# Altium PCB RX.PcbDoc (part 2 of 2)
Units mm, origin at the board's own origin, x right, y up, seen from the top; angles counter-clockwise.
Board outline 78 x 44 mm, 4 copper layers (Top Layer, Top Inner Layer, Bottom Inner Layer, Bottom Layer), stack 1.569 mm thick; 93 components, 82 nets, 366 pads, 183 vias.
Unrouted connection lines stored in the file: 59.
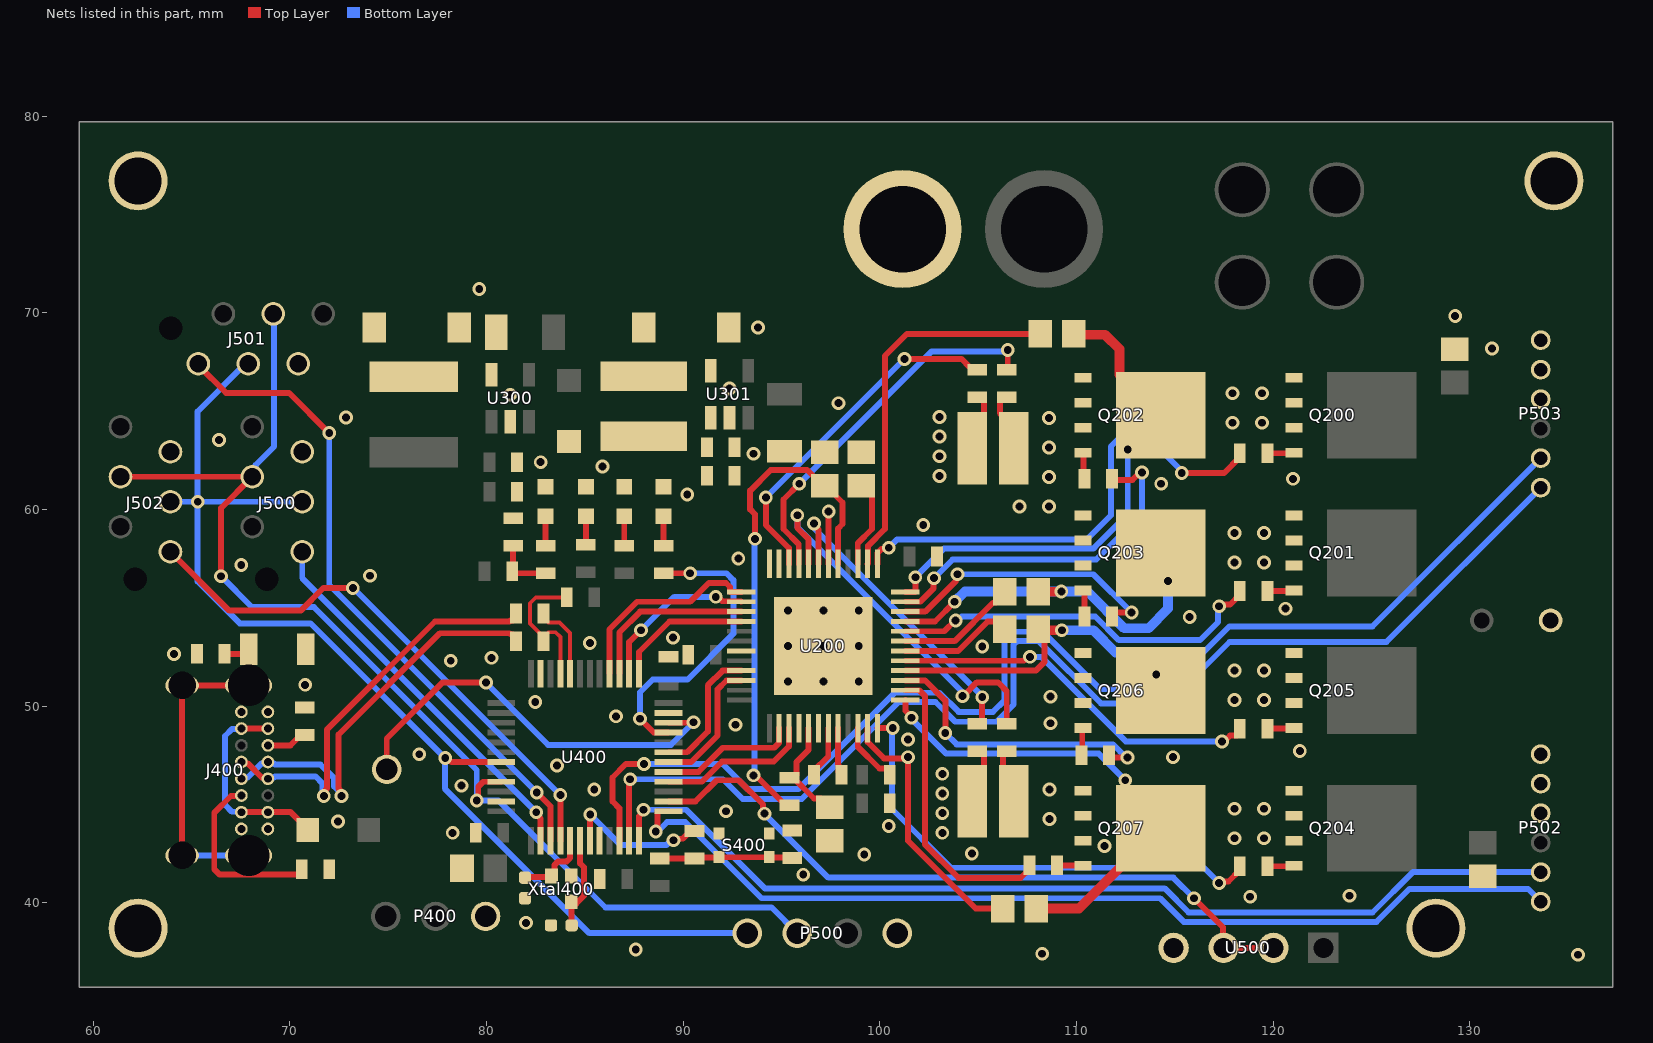
[diagram p4: the nets of this part, all layers, seen from the top]

## Via types
v1: diameter 0.7, hole 0.4, Top Layer to Bottom Layer, 183 vias

## Nets (pads, with @x,y where several pads share a name; then routed paths per layer and width w, separated by ;. In a path a pad name is that pad's centre, name@x,y a point inside that pad or via, vN(x,y) a via of type N, cw(c..) or ccw(c..) an arc to the next point about the centre after c; other vN are vias at no path point) (continued)
CSN: U200.13 U400.28 | length 10.2
  Top Layer w0.3: U400.28@86.25,51.65 86.25,53.9 87.65,55.3 90.35,55.3 91.3,56.25 92.174,56.25 92.375,56.049 92.375,55.825 92.4,55.8 U200.13@92.95,55.8
D_N: J400.A7 J400.B7 R405.1 | length 21
  Top Layer w0.3: J400.B7@67.53,47.15 67.597,47.083 67.851,47.083 68.567,46.367 68.813,46.367 J400.A7@68.88,46.3 ; v1(71.725,45.425) 71.802,45.502 71.802,45.733 71.875,45.806 71.875,48.799 77.376,54.3 81.174,54.3 81.224,54.35 81.35,54.35 81.5,54.5 R405.1@81.5,54.7
  Bottom Layer w0.3: J400.A7@68.88,46.3 68.947,46.367 69.193,46.367 69.251,46.425 71.3,46.425 71.648,46.077 71.648,45.502 v1(71.725,45.425)
D_P: J400.A6 J400.B6 R404.1 | length 21.1
  Top Layer w0.3: v1(72.625,45.425) 72.548,45.502 72.548,45.733 72.475,45.806 72.475,48.55 77.625,53.7 81.174,53.7 81.224,53.65 81.35,53.65 81.5,53.5 R404.1@81.5,53.3
  Bottom Layer w0.3: J400.B6@67.53,46.3 67.597,46.367 67.851,46.367 68.567,47.083 68.813,47.083 J400.A6@68.88,47.15 68.947,47.083 69.193,47.083 69.251,47.025 71.549,47.025 71.974,46.599 72.248,46.325 72.248,45.91 72.625,45.533 v1(72.625,45.425)
DBG_LED: R307.1 U400.21 | length 15.5
  Top Layer w0.3: v1(87.8,49.35) 88.5,48.65 U400.21@89.25,48.65 ; R307.1@89,56.75 v1(90.35,56.75)
  Bottom Layer w0.3: v1(87.8,49.35) 87.8,50.7 88.45,51.35 90.225,51.35 92.55,53.675 92.55,56.4 92.2,56.75 v1(90.35,56.75)
EN: R400.2 U400.7 | length 7.6
  Top Layer w0.3: U400.7@85.25,43.15 85.25,44.456 v1(85.273,44.479) ; v1(89.5,43.175) 89.577,43.252 89.977,43.252 90.375,43.65 R400.2@90.575,43.65
  Bottom Layer w0.3: v1(85.273,44.479) 86.827,42.925 89.142,42.925 89.392,43.175 v1(89.5,43.175)
FRONT_LED: pad.0@74.925,46.775 U400.22 | length 21.4
  Top Layer w0.3: pad.0@74.925,46.775 74.925,48.35 77.776,51.201 v1(79.969,51.201) ; U400.22@89.25,49.15 90.5,49.15 v1(90.525,49.175)
  Bottom Layer w0.3: v1(79.969,51.201) 79.969,51.181 83.125,48.025 89.375,48.025 v1(90.525,49.175)
GND: C202.1 C203.1 C204.1 C206.1 C207.1 C208.1 C210.1 C211.2 C214.1 C300.1 C301.1 C302.1 C303.1 C304.1 C306.1 C400.2 C401.2 C402.1 C403.1 C404.2 C405.1 C406.1 C407.1 D301.2 D304.1 D305.1 D306.1 D307.1 D310.2 J400.A1 J400.A12 J400.B1 J400.B12 J500.2 J501.2 J502.2 P300.- P400.1 P500.1 P502.4 P503.4 pad.0@62.275,38.7 pad.0@62.275,76.7 pad.0@128.275,38.7 pad.0@134.275,76.7 R206.1 R207.1 R213.1 R214.1 R310.1 R402.2 R403.1 R407.2 S400.1 S400.2 U200.6 U200.11 U200.12 U200.19 U200.28 U200.30 U200.49 U300.2 U301.2 U400.8 U400.23 U400.35 U400.47 U500.4 Xtal400.2 Xtal400.4 | length 9.1
  Top Layer w0.3: C400.2@89.25,52.5 89.325,52.5 C400.2@89.475,52.65 ; U200.6@97.375,57.225 97.387,57.238 97.387,59.887 v1(97.394,59.894) ; R213.1@104.7,45.15 105.3,45.75 105.3,47.55 105.15,47.7 R214.1@104.95,47.7 ; R206.1@104.7,63.1 105.3,63.7 105.3,65.55 105.15,65.7 R207.1@104.95,65.7
  other v1: 135.5,37.35 108.25,37.4 87.584,37.616 82,38.975 118.825,40.3 123.875,40.35 96.1,41.425 99.203,42.456 104.675,42.5 111.425,42.875 78.275,43.55 103.175,43.55 100.45,43.9 72.45,44.125 103.175,44.55 92.175,44.65 103.175,45.55 85.475,45.75 78.725,45.95 103.175,46.55 83.575,46.975 114.9,47.4 76.575,47.55 121.352,47.717 101.425,48.3 92.65,49.05 86.575,49.475 82.475,50.2 70.775,51.075 95.325,51.25 97.125,51.25 98.925,51.25 78.175,52.3 80.25,52.45 64.1,52.65 105.2,53.025 95.325,53.05 97.125,53.05 98.925,53.05 85.25,53.2 89.475,53.475 115.75,54.525 95.325,54.85 97.125,54.85 98.925,54.85 98.925,54.85 120.625,54.95 74.075,56.625 67.525,57.175 92.8,57.5 102.2,59.2 90.2,60.75 114.3,61.3 121,61.55 103.025,61.7 85.9,62.175 82.75,62.4 103.025,62.7 93.575,62.825 66.4,63.525 103.025,63.7 72.85,64.675 103.025,64.7 97.9,65.4 81.2,65.825 92.35,66.15 131.125,68.175 93.8,69.25 129.25,69.825 79.625,71.2
HE1_A: P503.2 U400.10 | length 63.3
  Top Layer w0.3: U400.10@86.75,43.15 86.75,44.8 86.4,45.15 86.4,46.369 87.081,47.05 v1(88,47.05)
  Bottom Layer w0.3: v1(88,47.05) 92,47.05 93.275,45.775 95.85,45.775 100.75,50.675 103.025,50.675 104,49.7 105.75,49.7 106.325,50.275 106.325,53.3 106.8,53.775 108.275,53.775 111.2,50.85 114.575,50.85 117.775,54.05 125.05,54.05 P503.2@133.6,62.6
HE1_B: P503.1 U400.11 | length 61.7
  Top Layer w0.3: U400.11@87.25,43.15 87.25,46.225 v1(87.3,46.275)
  Bottom Layer w0.3: v1(87.3,46.275) 92.025,46.275 93.025,45.275 96.025,45.275 100.95,50.2 102.825,50.2 103.825,49.2 105.925,49.2 106.8,50.075 106.8,53.124 106.976,53.3 108.075,53.3 111.25,50.125 114.65,50.125 117.775,53.25 125.75,53.25 P503.1@133.6,61.1
HE2_A: P502.2 U400.12 | length 50.3
  Top Layer w0.3: U400.12@87.75,43.15 87.75,44.392 87.975,44.617 v1(87.975,44.725)
  Bottom Layer w0.3: v1(87.975,44.725) 90.15,44.725 94.15,40.725 114.475,40.725 115.7,39.5 125.05,39.5 127.1,41.55 P502.2@133.6,41.55
HE2_B: P502.1 U400.13 | length 49.9
  Top Layer w0.3: v1(88.6,43.625) 88.6,43.733 88.7,43.833 88.7,44.65 U400.13@89.25,44.65
  Bottom Layer w0.3: v1(88.6,43.625) 88.708,43.625 89.183,44.1 90.1,44.1 93.975,40.225 114.25,40.225 115.45,39.025 125.25,39.025 126.925,40.7 132.95,40.7 P502.1@133.6,40.05
M1_N: C209.2 P503.6 Q200.1 Q200.2 Q200.3 Q202.5-6-7-8 U200.48 | length 23.6
  Top Layer w0.3: U200.48@101.3,55.8 101.775,55.8 101.8,55.825 v1(101.8,56.55)
  Top Layer w0.5: C209.2@109.85,68.925 109.9,68.875 111.45,68.875 112.175,68.15 112.175,66.84 114.23,64.785 Q202.5-6-7-8@114.271,64.785
  Bottom Layer w0.3: v1(101.8,56.55) 103.25,58 110.85,58 112.6,59.75 v1(112.6,63.05)
  other v1: 117.925,64.4 119.425,64.4 117.925,65.9 119.425,65.9
M1_P: C205.2 P503.5 Q201.1 Q201.2 Q201.3 Q203.5-6-7-8 U200.45 | length 17.8
  Top Layer w0.3: U200.45@101.3,54.3 102.8,54.3 v1(103.8,55.3)
  Top Layer w0.5: C205.2@108.05,55.8 108.05,55.812 109.212,55.812 v1(109.225,55.825)
  Bottom Layer w0.5: v1(103.8,55.3) 104.325,55.825 110.55,55.825 112.425,53.95 113.65,53.95 114.65,54.95 v1(114.65,56.35)
  other v1: 118.025,57.3 119.525,57.3 118.025,58.8 119.525,58.8
M2_N: C213.2 P502.6 Q205.1 Q205.2 Q205.3 Q206.5-6-7-8 U200.40 | length 16
  Top Layer w0.3: U200.40@101.3,51.8 107.925,51.8 108.375,52.25 108.375,53.475 C213.2@108,53.85
  Top Layer w0.5: C213.2@108.05,53.9 108.05,53.85 v1(109.25,53.85)
  Bottom Layer w0.5: v1(109.25,53.85) 110.858,53.85 111.983,52.725 112.925,52.725 v1(114.05,51.6)
  other v1: 118.025,50.3 119.525,50.3 118.025,51.8 119.525,51.8
M2_P: C212.2 P502.5 Q204.1 Q204.2 Q204.3 Q207.5-6-7-8 U200.37 | length 21.3
  Top Layer w0.3: U200.37@101.3,50.3 101.3,49.761 101.6,49.461 v1(101.6,49.4)
  Top Layer w0.5: C212.2@107.95,39.7 110.116,39.7 114.201,43.785 Q207.5-6-7-8@114.271,43.785
  Bottom Layer w0.3: v1(101.6,49.4) 101.6,49.35 103.375,47.575 111.125,47.575 v1(112.475,46.225)
  other v1: 118.025,43.275 119.525,43.275 118.025,44.775 119.525,44.775
NetC200_1: C200.1 U200.32 | length 2.4
  Top Layer w0.3: U200.32@97.875,48.875 97.875,47.026 97.893,47.008 97.893,46.65 C200.1@98.043,46.5
NetC200_2: C200.2 U200.31 | length 2.7
  Top Layer w0.3: C200.2@96.643,46.5 96.643,46.7 97.375,47.432 U200.31@97.375,48.875
NetC201_2: C201.2 U200.34 | length 3.3
  Top Layer w0.3: U200.34@98.875,48.875 98.875,47.925 99.982,46.818 100.35,46.818 100.5,46.668 C201.2@100.5,46.5
NetC205_1: C205.1 U200.43 | length 6.1
  Top Layer w0.3: U200.43@101.3,53.3 103.8,53.3 105.75,55.25 105.9,55.25 106.35,55.7 C205.1@106.35,55.8
NetC206_2: C206.2 U200.3 | length 4.6
  Top Layer w0.3: U200.3@98.875,57.225 98.875,58.275 99.6,59 99.6,60.75 99.15,61.2 C206.2@99.05,61.2
NetC207_2: C207.2 R201.2 U200.5 | length 26
  Top Layer w0.3: v1(93.575,46.475) 93.675,46.475 95.2,44.95 R201.2@95.4,44.95 ; v1(93.65,58.5) 93.65,59.75 93.4,60 93.4,60.95 94.45,62 96.3,62 96.65,61.65 97.1,61.2 C207.2@97.2,61.2 ; C207.2@97.3,61.15 98.1,60.35 98.1,59.25 97.875,59.025 U200.5@97.875,57.225
  Bottom Layer w0.3: v1(93.575,46.475) 93.613,46.513 93.613,58.462 v1(93.65,58.5)
NetC209_1: C209.1 U200.2 | length 19.3
  Top Layer w0.3: U200.2@99.375,57.225 99.4,57.25 99.4,58.149 100.25,58.999 100.25,67.8 101.375,68.925 C209.1@108.15,68.925
NetC210_2: C210.2 R201.1 U200.29 | length 5.5
  Top Layer w0.3: R201.1@95.4,46.35 R201.1@95.6,46.35 ; U200.29@96.375,48.875 96.375,47.771 95.75,47.146 95.75,46.5 R201.1@95.6,46.35 ; C210.2@97.45,44.85 97,45.3 96.65,45.3 R201.1@95.6,46.35
NetC212_1: C212.1 U200.35 | length 13.6
  Top Layer w0.3: U200.35@99.375,48.875 99.375,48.171 100.206,47.34 101.365,47.34 v1(101.425,47.4) 101.425,43.15 104.875,39.7 C212.1@106.25,39.7
NetC213_1: C213.1 U200.42 | length 5.8
  Top Layer w0.3: U200.42@101.3,52.8 103.975,52.8 105.475,54.3 105.95,54.3 C213.1@106.35,53.9
NetC301_2: C301.2 C303.2 D300.2 L301.2 U301.1
NetC403_2: C403.2 R400.1 R401.1 S400.3 S400.4 | length 7
  Top Layer w0.3: R401.1@88.8,42.25 R400.1@90.575,42.25 90.613,42.287 91.787,42.287 S400.3@91.825,42.325 ; S400.3@91.825,42.31 94.36,42.31 S400.4@94.375,42.325 94.4,42.3 95.35,42.3 C403.2@95.37,42.28 ; C403.2@95.37,42.28 C403.2@95.545,42.28 ; C403.2@95.37,42.28 C403.2@95.545,42.28 ; C403.2@95.545,42.28 C403.2@95.55,42.275 C403.2@95.545,42.28
NetC405_2: C405.2 U400.5 Xtal400.1 | length 3.8
  Top Layer w0.3: C405.2@81.95,41.275 81.988,41.313 83.263,41.313 83.462,41.512 83.462,41.924 83.638,42.1 84.074,42.1 84.25,42.276 U400.5@84.25,43.15
NetC406_2: C406.2 U400.6 Xtal400.3 | length 5
  Top Layer w0.3: C406.2@84.325,38.85 84.313,38.862 84.313,40.037 Xtal400.3@84.3,40.05 84.475,39.875 84.563,39.963 84.949,40.349 84.949,41.801 84.75,42 U400.6@84.75,43.15
NetC407_2: C407.2 J400.1 J400.2 J400.3 J400.4 R407.1 | length 18.5
  Top Layer w0.3: J400.4@64.52,42.4 J400.3@64.52,51.05 J400.1@67.9,51.05 R407.1@67.9,52.65 ; C407.2@66.675,52.65 R407.1@67.9,52.65 ; R407.1@67.9,52.875 R407.1@67.9,52.65
  Bottom Layer w0.3: J400.4@64.52,42.4 J400.2@67.9,42.4
NetD301_1: D301.1 L301.1 U301.5
NetD304_2: D304.2 R307.2 | length 1.5
  Top Layer w0.3: R307.2@89,58.15 D304.2@89,59.65
NetD305_2: D305.2 R308.2 | length 1.5
  Top Layer w0.3: R308.2@83,58.15 D305.2@83,59.65
NetD306_2: D306.2 R305.2 | length 1.5
  Top Layer w0.3: R305.2@87,58.15 D306.2@87,59.65
NetD307_2: D307.2 R306.2 | length 1.5
  Top Layer w0.3: R306.2@85.05,58.2 D307.2@85.05,59.65
NetD310_1: D310.1 L300.1 U300.5
NetJ400_A5: J400.A5 R402.1 | length 2.1
  Top Layer w0.3: J400.A5@68.88,48 70.025,48 70.55,48.525 R402.1@70.75,48.525
NetJ400_B5: J400.B5 R403.2 | length 9.4
  Top Layer w0.3: J400.B5@67.53,45.45 67.505,45.425 67,45.425 66.15,44.575 66.15,41.7 66.425,41.425 70.45,41.425 70.6,41.575 R403.2@70.6,41.7
NetQ200_4: Q200.4 R202.2 | length 1.4
  Top Layer w0.3: R202.2@119.7,62.85 121.02,62.85 Q200.4@121.05,62.88
NetQ202_1: Q202.1 Q202.2 Q202.3 Q203.1 Q203.2 Q203.3 R205.1 R206.2 | length 3.2
  Top Layer w0.3: R205.1@106.45,65.7 106.25,65.7 106.1,65.55 106.1,64.89 106.8,64.19 R206.2@106.8,63.1
  other v1: 107.1,60.15 108.6,60.15 108.6,61.65 108.6,63.15 108.6,64.65
NetQ202_4: Q202.4 R203.2 | length 1.4
  Top Layer w0.3: Q202.4@110.321,62.88 110.36,62.84 110.36,61.59 R203.2@110.4,61.55
NetQ205_4: Q205.4 R209.2 | length 1.4
  Top Layer w0.3: R209.2@119.7,48.85 121.02,48.85 Q205.4@121.05,48.88
NetQ206_1: Q206.1 Q206.2 Q206.3 Q207.1 Q207.2 Q207.3 R212.1 R213.2 | length 2.9
  Top Layer w0.3: R212.1@106.45,47.7 106.4,47.7 106.25,47.55 106.25,46.79 106.8,46.24 R213.2@106.8,45.15
  other v1: 108.625,44.25 108.625,45.75 108.675,49.125 108.675,50.475
NetQ206_4: Q206.4 R210.2 | length 1.4
  Top Layer w0.3: R210.2@110.25,47.5 110.285,47.535 110.285,48.845 Q206.4@110.321,48.88
NetR200_1: R200.1 U200.44 | length 19.4
  Top Layer w0.3: U200.44@101.3,53.8 103.269,53.8 103.819,54.35 v1(103.85,54.35) ; v1(117.25,55.075) 117.327,55.152 117.802,55.152 118.3,55.65 R200.1@118.3,55.85
  Bottom Layer w0.3: v1(103.85,54.35) 103.958,54.35 104.158,54.55 110.95,54.55 112.15,53.35 116.275,53.35 117.2,54.275 117.2,55.025 v1(117.25,55.075)
NetR202_1: R202.1 U200.1 | length 24.9
  Top Layer w0.3: U200.1@99.875,57.225 99.875,57.775 100.073,57.973 100.373,57.973 v1(100.45,58.05) ; v1(115.35,61.85) 117.5,61.85 118.3,62.65 R202.1@118.3,62.85
  Bottom Layer w0.3: v1(100.45,58.05) 100.875,58.475 110.525,58.475 111.75,59.7 111.75,63.2 112.35,63.8 113.5,63.8 115.35,61.95 v1(115.35,61.85)
NetR203_1: R203.1 U200.47 | length 18
  Top Layer w0.3: U200.47@101.3,55.3 102.05,55.3 102.734,55.984 102.734,56.484 v1(102.75,56.5) ; R203.1@111.8,61.55 111.9,61.55 111.95,61.5 112.842,61.5 113.217,61.875 v1(113.325,61.875)
  Bottom Layer w0.3: v1(102.75,56.5) 103.7,57.45 111,57.45 113.325,59.775 v1(113.325,61.875)
NetR204_1: R204.1 U200.46 | length 14.4
  Top Layer w0.3: U200.46@101.3,54.8 102.3,54.8 103.873,56.373 103.873,56.623 v1(103.95,56.7) ; R204.1@111.8,54.55 111.8,54.6 111.95,54.75 v1(112.8,54.75)
  Bottom Layer w0.3: v1(103.95,56.7) 110.85,56.7 v1(112.8,54.75)
NetR205_2: R205.2 U200.9 | length 19.2
  Top Layer w0.3: U200.9@95.875,57.225 95.875,58.225 95.1,59 95.1,60.5 v1(95.9,61.3) ; R205.2@106.45,67.1 106.5,67.15 v1(106.5,68.1)
  Bottom Layer w0.3: v1(95.9,61.3) 102.634,68.034 106.434,68.034 v1(106.5,68.1)
NetR207_2: R207.2 U200.10 | length 17.8
  Top Layer w0.3: v1(94.2,60.6) 94.2,59.2 95.375,58.025 U200.10@95.375,57.225 ; v1(101.25,67.65) 104.15,67.65 104.55,67.25 104.8,67.25 R207.2@104.95,67.1
  Bottom Layer w0.3: v1(94.2,60.6) v1(101.25,67.65)
NetR208_1: R208.1 U200.36 | length 24.6
  Top Layer w0.3: U200.36@99.875,48.875 v1(100.65,48.875) ; v1(117.25,41) 117.327,41.077 117.727,41.077 118.3,41.65 R208.1@118.3,41.85
  Bottom Layer w0.3: v1(100.65,48.875) 100.614,48.839 100.614,44.761 103.6,41.775 116.475,41.775 v1(117.25,41)
NetR209_1: R209.1 U200.41 | length 19.3
  Top Layer w0.3: U200.41@101.3,52.3 107.317,52.3 107.517,52.5 v1(107.625,52.5) ; v1(117.4,48.2) 117.508,48.2 117.808,48.5 118.15,48.5 118.3,48.65 R209.1@118.3,48.85
  Bottom Layer w0.3: v1(107.625,52.5) 107.628,52.497 108.203,52.497 112.5,48.2 v1(117.4,48.2)
NetR210_1: R210.1 U200.39 | length 14.9
  Top Layer w0.3: U200.39@101.3,51.3 102.3,51.3 103.325,50.275 v1(103.325,48.625) ; R210.1@111.65,47.5 111.775,47.375 v1(112.592,47.375)
  Bottom Layer w0.3: v1(103.325,48.625) 103.9,48.05 111.85,48.05 112.525,47.375 v1(112.592,47.375)
NetR211_1: R211.1 U200.38 | length 15.1
  Top Layer w0.3: U200.38@101.3,50.8 102.004,50.8 102.3,50.504 102.3,42.95 104,41.25 107.15,41.25 107.6,41.7 R211.1@107.6,41.9
NetR212_2: R212.2 U200.8 | length 19.8
  Top Layer w0.3: v1(95.8,59.7) 95.8,59.05 96.375,58.475 U200.8@96.375,57.225 ; v1(104.2,50.5) 104.231,50.5 104.931,51.2 106,51.2 106.45,50.75 R212.2@106.45,49.1
  Bottom Layer w0.3: v1(95.8,59.7) 95.8,59.1 104.123,50.777 104.123,50.577 v1(104.2,50.5)
NetR214_2: R214.2 U200.7 | length 16
  Top Layer w0.3: v1(96.65,59.286) 96.65,59.192 96.875,58.967 U200.7@96.875,57.225 ; R214.2@104.95,49.1 105.05,49.1 105.2,49.25 v1(105.2,50.45)
  Bottom Layer w0.3: v1(96.65,59.286) 96.727,59.21 96.727,58.963 100.949,54.741 105.2,50.49 v1(105.2,50.45)
NetR304_1: R304.1 R308.1 R310.2 | length 3
  Top Layer w0.3: R304.1@81.3,56.85 81.4,56.75 R308.1@83,56.75 ; R304.1@81.338,56.887 R310.2@81.338,58.137
Q201_G: Q201.4 R200.2 | length 1.4
  Top Layer w0.3: R200.2@119.7,55.85 121.02,55.85 Q201.4@121.05,55.88
Q203_G: Q203.4 R204.2 | length 1.4
  Top Layer w0.3: Q203.4@110.321,55.88 110.4,55.801 R204.2@110.4,54.55
Q204_G: Q204.4 R208.2 | length 1.4
  Top Layer w0.3: R208.2@119.7,41.85 121.02,41.85 Q204.4@121.05,41.88
Q207_G: Q207.4 R211.2 | length 1.3
  Top Layer w0.3: R211.2@109,41.9 109.02,41.88 Q207.4@110.321,41.88
RF_DATA: U400.14 U500.2 U500.3 | length 35.6
  Top Layer w0.3: U400.14@89.25,45.15 90.625,45.15 91.7,46.225 92.825,46.225 94.059,44.991 94.059,44.591 v1(94.125,44.525) ; v1(115.966,40.228) 117.444,38.749 117.444,37.726 U500.3@117.47,37.7 U500.2@120.01,37.7
  Bottom Layer w0.3: v1(94.125,44.525) 97.375,41.275 114.918,41.275 v1(115.966,40.228)
SCK: U200.14 U400.26 | length 8.4
  Top Layer w0.3: U400.26@87.25,51.65 87.25,53.25 v1(87.85,53.85) ; v1(91.65,55.55) 91.758,55.55 91.983,55.325 92.925,55.325 U200.14@92.95,55.3
  Bottom Layer w0.3: v1(87.85,53.85) 89.55,55.55 v1(91.65,55.55)
SCL: J500.3 J501.3 J502.3 P500.3 U400.45 | length 60.9
  Top Layer w0.3: J502.3@61.385,61.655 J500.3@68.085,61.655 66.5,60.07 v1(66.5,56.6) ; v1(79.5,45.2) 79.577,45.277 79.577,45.902 79.825,46.15 U400.45@80.75,46.15
  Bottom Layer w0.3: v1(66.5,56.6) 68.075,55.025 71.225,55.025 79.5,46.75 v1(79.5,45.2) 80.6,45.2 86.05,39.75 94.495,39.75 P500.3@95.795,38.45 ; J500.3@68.085,61.655 68.257,61.827 68.257,62.257 69.199,63.199 69.199,69.896 J501.3@69.155,69.94
SD: U200.21 U400.19 | length 6.8
  Top Layer w0.3: U400.19@89.25,47.65 89.35,47.65 90.2,47.65 91.25,48.7 91.25,51.05 92,51.8 U200.21@92.95,51.8
SDA: J500.4 J501.4 J502.4 P500.4 U400.43 | length 58.1
  Top Layer w0.3: v1(77.9,47.35) 78.008,47.35 78.208,47.15 U400.43@80.75,47.15
  Bottom Layer w0.3: J502.4@63.925,60.385 v1(65.31,60.385) ; J501.4@67.885,67.4 67.735,67.4 65.31,64.975 v1(65.31,60.385) ; J500.4@70.625,60.385 v1(65.31,60.385) ; P500.4@93.255,38.45 85.225,38.45 77.875,45.8 77.875,47.325 v1(77.9,47.35) 71.05,54.2 67.45,54.2 65.31,56.34 v1(65.31,60.385)
SDI: U200.15 U400.27 | length 8.7
  Top Layer w0.3: U400.27@86.75,51.65 86.75,53.74 87.81,54.8 U200.15@92.95,54.8
SDO: U200.16 U400.25 | length 6.9
  Top Layer w0.3: U400.25@87.75,51.65 87.75,52.75 89.3,54.3 U200.16@92.95,54.3
SPI: U200.22 U400.18 | length 6.8
  Top Layer w0.3: U400.18@89.25,47.15 89.35,47.15 90.4,47.15 91.75,48.5 91.75,50.85 92.2,51.3 U200.22@92.95,51.3
SWN: U200.26 U400.17 | length 7
  Top Layer w0.3: U400.17@89.25,46.65 90.775,46.65 92,47.875 94.625,47.875 94.875,48.125 U200.26@94.875,48.875
SWP: U200.27 U400.16 | length 7.8
  Top Layer w0.3: U400.16@89.25,46.15 90.95,46.15 91.975,47.175 94.6,47.175 95.375,47.95 U200.27@95.375,48.875
TOF_1: J500.6 U400.2 | length 19.7
  Top Layer w0.3: v1(82.525,44.6) 82.525,44.492 82.75,44.267 U400.2@82.75,43.15
  Bottom Layer w0.3: J500.6@70.625,57.845 70.625,56.5 v1(82.525,44.6)
TOF_2: J501.6 U400.3 | length 33.5
  Top Layer w0.3: J501.6@65.345,67.4 65.345,67.325 66.745,65.925 69.95,65.925 v1(72,63.875) ; v1(82.55,45.6) 83.25,44.9 U400.3@83.25,43.15
  Bottom Layer w0.3: v1(72,63.875) 72,56.15 v1(82.55,45.6)
TOF_3: J502.6 U400.4 | length 28.2
  Top Layer w0.3: J502.6@63.925,57.845 66.92,54.85 70.55,54.85 71.7,56 v1(73.2,56) ; U400.4@83.75,43.15 v1(83.75,45.475)
  Bottom Layer w0.3: v1(73.2,56) 73.213,56 83.738,45.475 v1(83.75,45.475)
USB_D_N: R405.2 U400.32 | length 3.9
  Top Layer w0.2: R405.2@82.9,54.7 82.9,54.5 83.15,54.25 83.707,54.25 84.25,53.707 U400.32@84.25,51.65
USB_D_P: R404.2 R406.1 U400.33 | length 7.1
  Top Layer w0.2: R404.2@82.9,53.3 R404.2@82.9,53.5 ; U400.33@83.75,51.65 83.75,53.5 83.5,53.75 83.15,53.75 R404.2@82.9,53.5 ; R406.1@84.075,55.525 82.5,55.525 82.2,55.225 82.2,54.2 R404.2@82.9,53.5
VBUS: D400.2 J400.A4 J400.A9 J400.B4 J400.B9 | length 10.6
  Top Layer w0.3: J400.B4@67.53,44.6 J400.A9@68.88,44.6 70.035,44.6 70.9,43.735 D400.2@70.9,43.7 ; J400.B9@67.53,48.85 J400.A4@68.88,48.85
  Bottom Layer w0.3: J400.B4@67.53,44.6 67.505,44.625 67.05,44.625 66.7,44.975 66.7,48.475 67.05,48.825 67.505,48.825 J400.B9@67.53,48.85
pads on no net: J400.A8 J400.B8 J500.0 J500.5 J501.0 J501.5 J502.0 J502.5 U200.17 U200.18 U200.23 U200.24 U200.25 U400.15 U400.20 U400.29 U400.30 U400.31 U400.34 U400.37 U400.38 U400.39 U400.40 U400.41 U400.42 U400.46

## Polygon pours and split planes (outlines as drawn)
GND on Top Layer "GND_L01_P033" (solid, remove dead copper, pour order 33): 58.9,79.925 137.625,79.925 137.625,35.3 58.9,35.3
NetC301_2 on Top Layer "Main" (solid, remove dead copper, pour order 10): 91.775,65.275 91.775,61.075 90.8,61.075 89.15,62.725 83.35,62.725 83.35,65.275
BAT_+ on Top Layer "BAT_+_L01_P027" (solid, remove dead copper, pour order 27): 104.9,70.35 111.05,70.35 114.6,73.9 123.95,73.9 125.225,75.175 125.225,80.125 108.725,80.125 104.9,76.3
+12V on Top Layer "Main" (solid, remove dead copper, pour order 16): 121.175,69.5 122.3,68.375 122.3,41.5 128.225,41.5 129.125,42.4 134.125,42.4 134.125,43.6 132.825,43.6 131.275,45.15 131.275,62.075 131.275,62.15 132.625,63.5 134.15,63.5 134.15,64.65 132.475,64.65 129.975,67.15 127.525,67.15 127.525,70.85 124.925,73.45 117.175,73.45 116.6,72.875 116.6,69.875 116.975,69.5
+5V on Top Layer "Main" (solid, remove dead copper, pour order 11): 85.075,70.15 82.937,70.15 81.85,69.063 81.85,63.8 82.8,63.8 82.8,65.4 83.175,65.775 85.075,65.775
+12V on Top Layer "Main" (solid, remove dead copper, pour order 14): 92.9,67.825 97.35,67.825 97.35,63.975 92.9,63.975
+3V3 on Top Layer "Main" (solid, remove dead copper, pour order 13): 73.45,61.925 77.775,61.925 79.45,60.25 80.65,60.25 80.65,65.175 73.45,65.175
NetD310_1 on Top Layer "Main" (solid, remove dead copper, pour order 12): 73.45,70.325 73.45,65.675 80.65,65.675 80.65,67.825 77.675,67.825 75.175,70.325 73.925,70.325
NetD301_1 on Top Layer "Main" (solid, remove dead copper, pour order 8): 85.65,65.85 91.775,65.85 91.775,67.825 89.45,70.15 85.65,70.15
M2_P on Top Layer "Main" (solid, remove dead copper, pour order 1): 111.975,46.7 121.8,46.7 121.8,42.65 117.8,42.65 116.55,41.4 111.975,41.4
M2_N on Top Layer "Main" (solid, remove dead copper, pour order 3): 111.8,53.7 121.8,53.7 121.8,49.65 117.8,49.65 116.55,48.4 111.8,48.4
M1_N on Top Layer "Main" (solid, remove dead copper, pour order 4): 111.8,67.7 121.8,67.7 121.8,63.65 117.8,63.65 116.55,62.4 111.8,62.4
M1_P on Top Layer "Main" (solid, remove dead copper, pour order 5): 111.8,60.7 121.8,60.7 121.8,56.65 117.8,56.65 116.55,55.4 111.8,55.4
NetQ206_1 on Top Layer "Main" (solid, remove dead copper, pour order 6): 107.425,50.7 107.425,47.575 106.95,47.1 105.95,47.1 105.95,42.75 110.875,42.75 110.875,46.5 109.55,46.5 109.55,49.5 111,49.5 111,53.1 109.825,53.1
NetQ202_1 on Top Layer "Main" (solid, remove dead copper, pour order 7): 109.65,67.1 107.65,65.1 105.95,65.1 105.95,56.75 110.95,56.75 110.95,60.4 109.55,60.4 109.55,63.5 110.95,63.5 110.95,67.1
GND on Bottom Inner Layer "GND_L03_P036" (solid, remove dead copper, pour order 36): 58.9,79.925 137.625,79.925 137.625,35.3 58.9,35.3
+12V on Bottom Inner Layer "+12V_L03_P028" (solid, remove dead copper, pour order 28): 97.109,43.34 97.109,48.325 97.944,49.16 97.944,61.156 95.7,63.4 95.7,68.25 97.325,69.875 110.775,69.875 114.475,73.575 125.225,73.575 125.225,68.125 113.3,68.125 110.775,65.6 105.475,65.6 105.475,61 101.111,56.636 101.111,50.686 99.875,49.45 99.875,43.34
+3V3 on Bottom Inner Layer "+3V3_L03_P035" (solid, remove dead copper, pour order 35): 58.95,53.95 68.95,53.95 73.55,49.35 73.55,35.125 99.65,35.125 99.65,41.725 98.3,43.075 98.3,48.25 93.125,53.425 91.425,53.425 89.325,55.525 87.05,55.525 87.05,62.2 82,67.25 82,69.65 80.625,71.025 58.95,71.025
NetQ202_1 on Bottom Inner Layer "Main" (solid, remove dead copper, pour order 20): 105.95,65.1 109.55,65.1 109.55,59.05 105.95,59.05
+5V on Bottom Inner Layer "Main" (solid, remove dead copper, pour order 15): 83.625,64.425 82.2,65.85 82.2,66.35 82.2,68.275 85.175,68.275 85.175,64.55 85.05,64.425
M1_N on Bottom Inner Layer "Main" (solid, remove dead copper, pour order 26): 111.8,65.95 113.55,67.7 121.8,67.7 121.8,63.65 117.8,63.65 116.55,62.4 111.8,62.4
BAT_+ on Bottom Inner Layer "BAT_+_L03_P017" (solid, remove dead copper, pour order 17): 104.9,71.85 106.35,70.4 110.725,70.4 114.45,74.125 125.225,74.125 125.225,80.125 108.725,80.125 104.9,76.3
M2_P on Bottom Inner Layer "Main" (solid, remove dead copper, pour order 23): 117.8,42.65 116.5,41.35 112,41.35 112,46.7 121.8,46.7 121.8,42.65
M2_N on Bottom Inner Layer "Main" (solid, remove dead copper, pour order 24): 117.8,49.65 116.55,48.4 111.8,48.4 111.8,53.7 121.8,53.7 121.8,49.65
M1_P on Bottom Inner Layer "Main" (solid, remove dead copper, pour order 25): 117.8,56.65 116.55,55.4 111.8,55.4 111.8,60.7 121.8,60.7 121.8,56.65
NetQ206_1 on Bottom Inner Layer "Main" (solid, remove dead copper, pour order 21): 108.175,43.8 107.425,44.55 107.425,45.025 107.425,50.925 108.05,51.55 109.55,51.55 109.55,43.8
GND on Bottom Layer "GND_L04_P037" (solid, remove dead copper, pour order 37): 58.9,79.925 137.625,79.925 137.625,35.3 58.9,35.3
M2_P on Bottom Layer "Main" (solid, remove dead copper, pour order 32): 117.4,46.575 128.65,46.575 129.475,45.75 129.475,43 129,42.525 117.4,42.525
M2_N on Bottom Layer "Main" (solid, remove dead copper, pour order 31): 117.4,52.175 118,52.775 118.225,52.775 129.475,52.775 129.475,50.025 129,49.55 117.4,49.55
M1_P on Bottom Layer "Main" (solid, remove dead copper, pour order 30): 117.4,60.6 128.65,60.6 128.65,58.5 126.7,56.55 117.4,56.55
M1_N on Bottom Layer "Main" (solid, remove dead copper, pour order 29): 117.3,67.7 128.55,67.7 129.375,66.875 129.375,64.125 128.9,63.65 117.3,63.65
GND on Top Inner Layer "GND_L02_P034" (solid, remove dead copper, pour order 34): 58.9,79.925 137.625,79.925 137.625,35.3 58.9,35.3

## Other copper
Top Layer:
  pour cut-out: 111.063,43.3 111.625,43.3 111.625,43.65 111.063,43.65
  pour cut-out: 104.9,70.35 104.9,69.275 105.35,69.275 105.35,70.35
  pour cut-out: 105.45,66 105.45,66.8 105.95,66.8 105.95,66
  pour cut-out: 85.075,70.354 85.65,70.354 85.65,70.15 85.075,70.15
Bottom Layer:
  pour cut-out: 117.712,48.666 117.712,49.45 117.425,49.45 117.425,48.666
  pour cut-out: 84.3,45.584 85.021,44.886 84.603,44.468 84.062,45.009

## Silkscreen, mask and mechanical layers (free items; w line width, h text height)
Top Overlay:
  lines w0.2: 64.475,41.375 69.7,41.375 ; 68.85,37 69.925,37 ; 68.85,38.125 69.325,38.125 ; 71.05,39 71.05,39.15 ; 72.05,36.45 72.275,36.225 72.5,36.225 74.5,36.225 80.475,36.225 82.25,38 ; 78.3,58 78.3,58.375 78.6,58.675 79.825,58.675 ; 78.575,51.525 78.925,51.525 ; 78.6,50.075 78.925,50.075 ; 78.737,51.525 78.85,51.525 ; 78.75,50.075 78.75,52.15 80.625,54.025 ; 78.775,53.95 79.2,53.95 81,55.75 83.15,55.75 ; 79.475,55.425 79.675,55.425 80.025,55.775 ; 79.575,70.975 79.575,71.875 ; 81.775,38 82.25,38 ; 82.25,37.55 82.25,38 ; 84.425,68.225 84.425,68.5 84.65,68.725 ; 85.3,39.25 85.55,39 85.55,37.95 ; 86.575,68.175 86.575,71.025 ; 88.65,53.525 88.95,53.225 ; 90.375,53.6 90.375,54.05 ; 91.35,44.225 91.675,44.225 92.15,44.7 92.475,45.025 ; 91.9,60.375 91.9,60.75 ; 93.35,62.9 93.55,62.7 93.55,62.5 93.55,62.175 94.025,61.7 ; 94.45,47.275 94.775,47.275 95.062,46.988 ; 95.7,67.3 96.175,67.775 96.65,67.775 ; 96.225,41.65 96.6,41.275 ; 97.5,64.325 97.5,65.225 ; 97.85,42.05 98.85,41.05 ; 98.5,44.15 98.875,43.775 98.875,43.763 98.875,42.625 ; 100.375,62.125 100.975,62.725 100.975,63.475 ; 100.425,47.5 100.425,48.025 100.675,48.275 100.9,48.275 ; 101.25,45.025 101.775,45.025 102.15,44.65 ; 105.425,69.55 105.95,69.55 106.825,68.675 106.825,68.225 ; 108.875,61.425 109.1,61.2 109.725,61.2 ; 109.05,58.6 109.65,58.6 ; 111.275,69.625 112.625,69.625 ; 113.025,76.1 114.025,76.1 ; 113.525,75.6 113.525,76.6 ; 70.625,37.45 71.725,37.45 ; 70.625,37.45 70.625,36.9 71.725,36.9 71.725,37.45 ; 70.625,37.45 71.725,37.45 ; 70.625,37.45 70.625,38.65 ; 70.625,38.65 70,38.65 70,37.725 70.625,37.725 70.625,38.65 ; 70.625,38.65 71.725,38.65 71.725,37.45
  lines w0.254: 68.325,74.6 89.675,74.6 89.675,78.625 68.325,78.625 68.325,74.6
  text ".GlobalProjectTitle" at 68.85,77.125 h1
  text ".GlobalRevisionEngineer" at 78.85,77.125 h1
  text ".GlobalProjectTitleAbr" at 68.85,75.292 h1
  text ".GlobalRevisionDate" at 78.85,75.125 h1
Mechanical 1:
  the board outline again, w0.254